# KiCad board panel_0.kicad_pcb (continued)
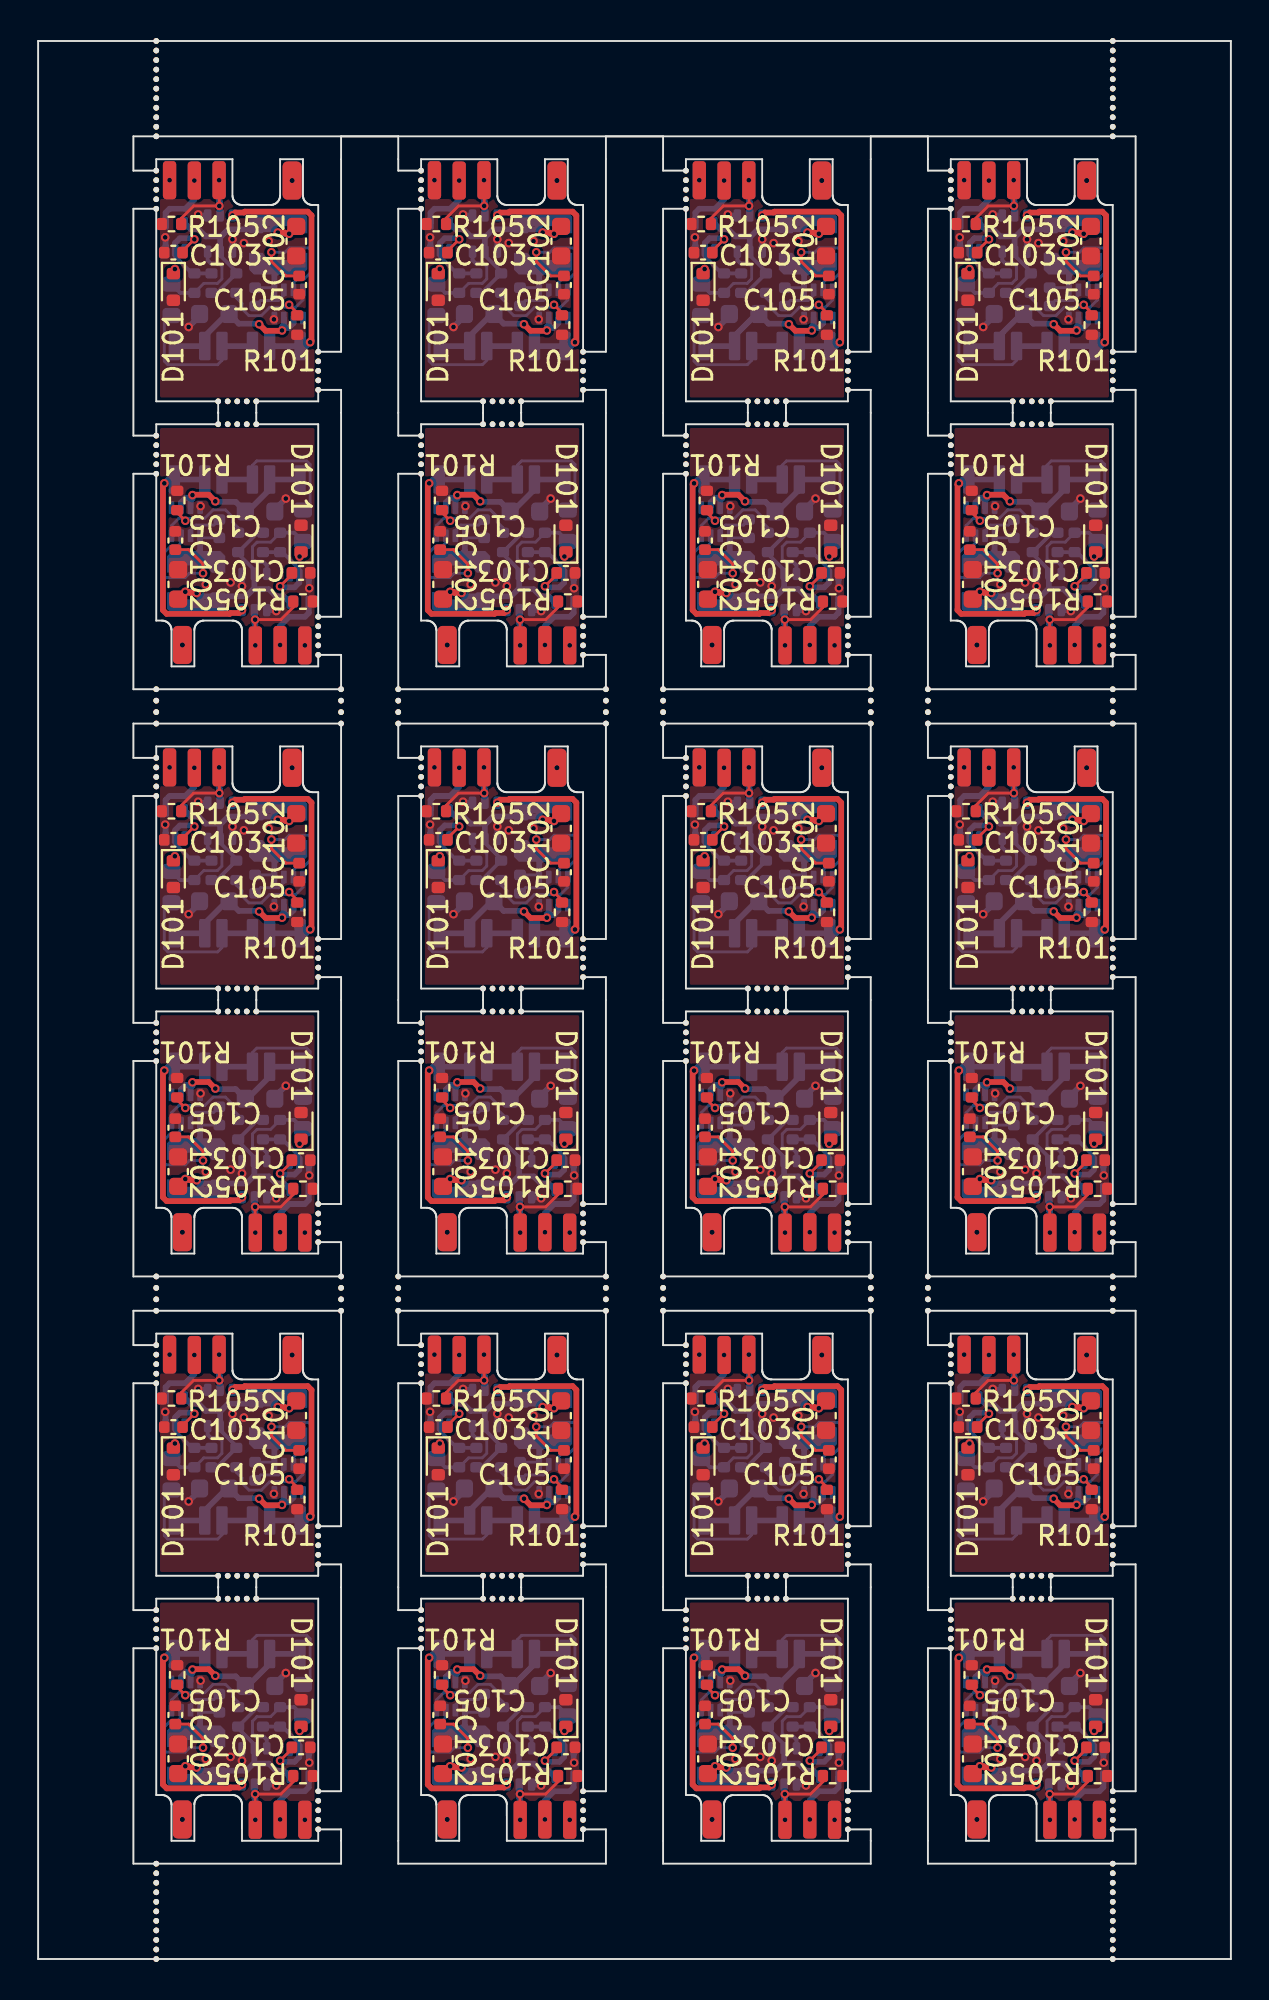
[diagram p0: board, top side]
## Routing (per net, layer and track width the routed paths; a pad name or vN(x,y) marks a point on that pad's centre or on a via; arc(x,y) is an arc through that point) (continued)
Board_4-Net-(U103-SS): length 7.2
  Top w0.15: C105#11.1 7.9,73.92 8.65,73.17 v1(8.65,72.68)
  Bottom w0.15: v1(8.65,72.68) 7.94,72.68 7.72,72.46 6.7,72.46 6.54,72.61 6.54,73.69 6.93,74.08 7.3,74.08 7.5,74.28 U103#22.7
Board_5-+3V3: length 10.3
  Top w0.3: v1(21.62,71.71) 21.81,71.71 21.87,71.65 v1(22.22,71.65)
  Bottom w0.2: Q102#7.2 25.25,72.85 24.4,73.7 R104#15.1 25.42,74.81 R106#3.1
  Bottom w0.3: L101#15.2 22.2,71.13 22.55,71.48 24.83,71.48 25.25,71.9 ; 25.25,71.9 25.3,71.85 26.01,71.85 26.38,71.47 26.79,71.47 U102#9.5 ; 25.25,71.9 Q102#7.2
  vias: v1(21.47,68.92) v1(21.47,68.92)
Board_5-/BST: length 2
  Bottom w0.15: C104#17.1 23.12,75.21 22.18,75.21 21.9,74.93 U103#5.6
Board_5-/DBUS: length 8.1
  Bottom w0.15: H102#19.1 25.15,78.35 25.38,78.58 27.99,78.58 28.18,78.39 28.18,76.38 R103#7.1
  Bottom w0.3: H102#19.1 H102#19.1
Board_5-/DBUS_R: length 6.3
  Top w0.15: 27.7,73.64 v1(27.62,73.56)
  Bottom w0.15: v1(27.62,73.56) 27.78,73.56 27.8,73.58 R103#7.2 27.76,74.31 ; 25.35,73.3 25.26,73.3 25.15,73.41 25.15,74.08 25.39,74.31 26.1,74.31 R102#8.1
  Bottom w0.2: R102#8.1 27.34,74.81 R103#7.2 ; 25.28,73.32 25.33,73.27 25.73,73.27 25.9,73.1 Q102#7.3
Board_5-/FB: length 5.9
  Top w0.15: R101#9.1 21.2,75.86 v1(21.63,75.44)
  Bottom w0.15: R104#15.2 24.4,75.07 24.1,75.37 24.1,75.64 23.74,76.01 23.08,76.01 22.65,75.57 21.29,75.57 20.9,75.18 U103#5.8
Board_5-/IN: length 5.1
  Top w0.15: C103#17.1 27.22,72.62 v1(26.6,72)
  Bottom w0.2: R106#3.2 R102#8.2 26.72,73.79 27.61,72.9 U102#9.2
  Bottom w0.3: U102#9.2 27.61,72.19 27.36,71.94 26.66,71.94 v1(26.6,72)
Board_5-/IO4: length 5.9
  Top w0.15: v1(25.29,70.25) 26.64,70.25 27.29,70.9 R105#22.1 ; v1(25.29,70.25) 25.29,70.35 ; v1(25.29,70.25) 25.29,68.91 v1(25.3,68.9)
  Bottom w0.3: v1(25.3,68.9) 25.3,70 25.25,70.05 Q102#7.5
Board_5-/IO5: length 3.3
  Bottom w0.3: v1(26.6,68.92) 26.6,69.92 27.08,70.4 27.9,70.4 28.11,70.61 U102#9.4
Board_5-/SW: length 2.3
  Bottom w0.15: C104#17.2 22.51,74.54 U103#5.5
  Bottom w0.3: U103#5.5 22.4,73.87 22.2,73.67 L101#15.1
Board_5-/V+: length 8.7
  Top w0.3: v1(22,76.78) 22.02,76.8 22.86,76.8 v1(23.2,76.46)
  Bottom w0.3: v1(23.2,76.46) 23.23,76.43 24.27,76.43 C101#19.1 24.9,75.92 26.05,77.07 H101#24.1 H101#24.1 ; U103#5.3 21.9,76.5 22,76.6 v1(22,76.78) 21.86,76.64 21.64,76.64 21.4,76.4 U103#5.2
Board_5-/V-: length 13.2
  Top w0.3: v1(24.6,70.75) 24.45,70.6 24,70.6 23.95,70.55 20.65,70.55 20.45,70.75 20.45,77.33 v1(20.52,77.4)
  Bottom w0.3: v1(20.52,77.4) 20.73,77.6 H103#7.1 H103#7.1
Board_5-GND: length 2.9
  Bottom w0.2: v1(22.42,76.2) 22.4,76.17 U103#5.4
  Bottom w0.3: v1(26.4,70.7) 26.35,70.75 Q102#7.4 ; C101#19.2 26.33,76.02 v1(26.9,76.6) ; U102#9.3 28.11,71.92 v1(28.13,71.9) ; Q102#7.1 v1(24.6,72)
  vias: v1(22.7,72.1) v1(24,72.2) v1(27.9,68.9)
Board_5-Net-(U103-SS): length 7.2
  Top w0.15: C105#3.1 21.8,73.92 22.55,73.17 v1(22.55,72.68)
  Bottom w0.15: v1(22.55,72.68) 21.84,72.68 21.62,72.46 20.6,72.46 20.44,72.61 20.44,73.69 20.83,74.08 21.2,74.08 21.4,74.28 U103#5.7
Board_6-+3V3: length 10.3
  Top w0.3: v1(35.52,71.71) 35.71,71.71 35.77,71.65 v1(36.12,71.65)
  Bottom w0.2: R106#2.1 39.32,74.81 R104#18.1 38.3,73.7 39.15,72.85 Q102#2.2
  Bottom w0.3: 39.15,71.9 38.73,71.48 36.45,71.48 36.1,71.13 L101#24.2 ; 39.15,71.9 Q102#2.2 ; 39.15,71.9 39.2,71.85 39.91,71.85 40.28,71.47 40.69,71.47 U102#2.5
  vias: v1(35.37,68.92) v1(35.37,68.92)
Board_6-/BST: length 2
  Bottom w0.15: U103#15.6 35.8,74.93 36.08,75.21 37.02,75.21 C104#18.1
Board_6-/DBUS: length 8.1
  Bottom w0.15: H102#14.1 39.05,78.35 39.28,78.58 41.89,78.58 42.08,78.39 42.08,76.38 R103#18.1
  Bottom w0.3: H102#14.1 H102#14.1
Board_6-/DBUS_R: length 6.3
  Top w0.15: 41.6,73.64 v1(41.52,73.56)
  Bottom w0.15: v1(41.52,73.56) 41.68,73.56 41.7,73.58 R103#18.2 41.66,74.31 ; 39.25,73.3 39.16,73.3 39.05,73.41 39.05,74.08 39.29,74.31 40,74.31 R102#21.1
  Bottom w0.2: R102#21.1 41.24,74.81 R103#18.2 ; Q102#2.3 39.8,73.1 39.63,73.27 39.23,73.27 39.18,73.32
Board_6-/FB: length 5.9
  Top w0.15: R101#7.1 35.1,75.86 v1(35.53,75.44)
  Bottom w0.15: R104#18.2 38.3,75.07 38,75.37 38,75.64 37.64,76.01 36.98,76.01 36.55,75.57 35.19,75.57 34.8,75.18 U103#15.8
Board_6-/IN: length 5.1
  Top w0.15: v1(40.5,72) 41.12,72.62 C103#12.1
  Bottom w0.2: U102#2.2 41.51,72.9 40.62,73.79 R102#21.2 R106#2.2
  Bottom w0.3: U102#2.2 41.51,72.19 41.26,71.94 40.56,71.94 v1(40.5,72)
Board_6-/IO4: length 5.9
  Top w0.15: v1(39.19,70.25) 40.54,70.25 41.19,70.9 R105#15.1 ; v1(39.19,70.25) 39.19,68.91 v1(39.2,68.9) ; v1(39.19,70.25) 39.19,70.35
  Bottom w0.3: v1(39.2,68.9) 39.2,70 39.15,70.05 Q102#2.5
Board_6-/IO5: length 3.3
  Bottom w0.3: v1(40.5,68.92) 40.5,69.92 40.98,70.4 41.8,70.4 42.01,70.61 U102#2.4
Board_6-/SW: length 2.3
  Bottom w0.15: C104#18.2 36.41,74.54 U103#15.5
  Bottom w0.3: U103#15.5 36.3,73.87 36.1,73.67 L101#24.1
Board_6-/V+: length 8.7
  Top w0.3: v1(37.1,76.46) 36.76,76.8 35.92,76.8 v1(35.9,76.78)
  Bottom w0.3: v1(37.1,76.46) 37.13,76.43 38.17,76.43 C101#3.1 38.8,75.92 39.95,77.07 H101#15.1 H101#15.1 ; U103#15.3 35.8,76.5 35.9,76.6 v1(35.9,76.78) 35.76,76.64 35.54,76.64 35.3,76.4 U103#15.2
Board_6-/V-: length 13.2
  Top w0.3: v1(38.5,70.75) 38.35,70.6 37.9,70.6 37.85,70.55 34.55,70.55 34.35,70.75 34.35,77.33 v1(34.42,77.4)
  Bottom w0.3: v1(34.42,77.4) 34.62,77.6 H103#2.1 H103#2.1
Board_6-GND: length 2.9
  Bottom w0.2: v1(36.33,76.2) 36.3,76.17 U103#15.4
  Bottom w0.3: Q102#2.1 v1(38.5,72) ; v1(40.8,76.6) 40.23,76.02 C101#3.2 ; v1(42.03,71.9) 42.01,71.92 U102#2.3 ; Q102#2.4 40.25,70.75 v1(40.3,70.7)
  vias: v1(36.6,72.1) v1(37.9,72.2) v1(41.8,68.9)
Board_6-Net-(U103-SS): length 7.2
  Top w0.15: C105#12.1 35.7,73.92 36.45,73.17 v1(36.45,72.68)
  Bottom w0.15: U103#15.7 35.3,74.28 35.1,74.08 34.73,74.08 34.34,73.69 34.34,72.61 34.5,72.46 35.52,72.46 35.74,72.68 v1(36.45,72.68)
Board_7-+3V3: length 10.3
  Top w0.3: v1(49.42,71.71) 49.61,71.71 49.67,71.65 v1(50.02,71.65)
  Bottom w0.2: R106#20.1 53.22,74.81 R104#10.1 52.2,73.7 53.05,72.85 Q102#4.2
  Bottom w0.3: Q102#4.2 53.05,71.9 ; 53.05,71.9 53.1,71.85 53.81,71.85 54.18,71.47 54.59,71.47 U102#15.5 ; 53.05,71.9 52.63,71.48 50.35,71.48 50,71.13 L101#4.2
  vias: v1(49.27,68.92) v1(49.27,68.92)
Board_7-/BST: length 2
  Bottom w0.15: C104#19.1 50.92,75.21 49.98,75.21 49.7,74.93 U103#16.6
Board_7-/DBUS: length 8.1
  Bottom w0.15: H102#16.1 52.95,78.35 53.18,78.58 55.79,78.58 55.98,78.39 55.98,76.38 R103#23.1
  Bottom w0.3: H102#16.1 H102#16.1
Board_7-/DBUS_R: length 6.3
  Top w0.15: 55.5,73.64 v1(55.42,73.56)
  Bottom w0.15: 55.56,74.31 R103#23.2 55.6,73.58 55.58,73.56 v1(55.42,73.56) ; R102#4.1 53.9,74.31 53.19,74.31 52.95,74.08 52.95,73.41 53.06,73.3 53.15,73.3
  Bottom w0.2: 53.08,73.32 53.13,73.27 53.53,73.27 53.7,73.1 Q102#4.3 ; R102#4.1 55.14,74.81 R103#23.2
Board_7-/FB: length 5.9
  Top w0.15: v1(49.43,75.44) 49,75.86 R101#6.1
  Bottom w0.15: R104#10.2 52.2,75.07 51.9,75.37 51.9,75.64 51.54,76.01 50.88,76.01 50.45,75.57 49.09,75.57 48.7,75.18 U103#16.8
Board_7-/IN: length 5.1
  Top w0.15: v1(54.4,72) 55.02,72.62 C103#5.1
  Bottom w0.2: U102#15.2 55.41,72.9 54.52,73.79 R102#4.2 R106#20.2
  Bottom w0.3: v1(54.4,72) 54.46,71.94 55.16,71.94 55.41,72.19 U102#15.2
Board_7-/IO4: length 5.9
  Top w0.15: R105#21.1 55.09,70.9 54.44,70.25 v1(53.09,70.25) ; v1(53.09,70.25) 53.09,70.35 ; v1(53.09,70.25) 53.09,68.91 v1(53.1,68.9)
  Bottom w0.3: Q102#4.5 53.05,70.05 53.1,70 v1(53.1,68.9)
Board_7-/IO5: length 3.3
  Bottom w0.3: U102#15.4 55.91,70.61 55.7,70.4 54.88,70.4 54.4,69.92 v1(54.4,68.92)
Board_7-/SW: length 2.3
  Bottom w0.15: U103#16.5 50.31,74.54 C104#19.2
  Bottom w0.3: U103#16.5 50.2,73.87 50,73.67 L101#4.1
Board_7-/V+: length 8.7
  Top w0.3: v1(49.8,76.78) 49.82,76.8 50.66,76.8 v1(51,76.46)
  Bottom w0.3: v1(51,76.46) 51.03,76.43 52.07,76.43 C101#20.1 52.7,75.92 53.85,77.07 H101#13.1 H101#13.1 ; U103#16.2 49.2,76.4 49.44,76.64 49.66,76.64 v1(49.8,76.78) 49.8,76.6 49.7,76.5 U103#16.3
Board_7-/V-: length 13.2
  Top w0.3: v1(48.33,77.4) 48.25,77.33 48.25,70.75 48.45,70.55 51.75,70.55 51.8,70.6 52.25,70.6 v1(52.4,70.75)
  Bottom w0.3: H103#4.1 H103#4.1 48.52,77.6 v1(48.33,77.4)
Board_7-GND: length 2.9
  Bottom w0.2: U103#16.4 50.2,76.17 v1(50.23,76.2)
  Bottom w0.3: U102#15.3 55.91,71.92 v1(55.93,71.9) ; Q102#4.1 v1(52.4,72) ; Q102#4.4 54.15,70.75 v1(54.2,70.7) ; v1(54.7,76.6) 54.12,76.02 54.12,75.92
  vias: v1(50.5,72.1) v1(51.8,72.2) v1(55.7,68.9)
Board_7-Net-(U103-SS): length 7.2
  Top w0.15: C105#23.1 49.6,73.92 50.35,73.17 v1(50.35,72.68)
  Bottom w0.15: U103#16.7 49.2,74.28 49,74.08 48.63,74.08 48.24,73.69 48.24,72.61 48.4,72.46 49.42,72.46 49.64,72.68 v1(50.35,72.68)
Board_8-+3V3: length 10.3
  Top w0.3: v1(12.58,59.75) 12.93,59.75 12.99,59.69 v1(13.17,59.69)
  Bottom w0.2: Q102#12.2 9.55,58.55 10.4,57.7 R104#11.1 9.38,56.59 R106#6.1
  Bottom w0.3: Q102#12.2 9.55,59.5 ; 9.55,59.5 9.97,59.92 12.25,59.92 12.6,60.27 L101#20.2 ; 9.55,59.5 9.5,59.55 8.79,59.55 8.42,59.93 8.01,59.93 U102#20.5
  vias: v1(13.33,62.48) v1(13.33,62.48)
Board_8-/BST: length 2
  Bottom w0.15: C104#12.1 11.68,56.19 12.62,56.19 12.9,56.47 U103#8.6
Board_8-/DBUS: length 8.1
  Bottom w0.15: R103#2.1 6.62,55.02 6.62,53.01 6.81,52.82 9.42,52.82 9.65,53.05 H102#20.1
  Bottom w0.3: H102#20.1 H102#20.1
Board_8-/DBUS_R: length 6.3
  Top w0.15: 7.1,57.76 v1(7.18,57.84)
  Bottom w0.15: 7.04,57.09 R103#2.2 7,57.82 7.02,57.84 v1(7.18,57.84) ; 9.45,58.1 9.54,58.1 9.65,57.99 9.65,57.32 9.41,57.09 8.7,57.09 R102#11.1
  Bottom w0.2: R102#11.1 7.46,56.59 R103#2.2 ; 9.52,58.08 9.47,58.13 9.07,58.13 8.9,58.3 Q102#12.3
Board_8-/FB: length 5.9
  Top w0.15: v1(13.17,55.96) 13.6,55.54 R101#15.1
  Bottom w0.15: R104#11.2 10.4,56.33 10.7,56.03 10.7,55.76 11.06,55.39 11.72,55.39 12.15,55.83 13.51,55.83 13.9,56.22 U103#8.8
Board_8-/IN: length 5.1
  Top w0.15: C103#15.1 7.58,58.78 v1(8.2,59.4)
  Bottom w0.2: R106#6.2 R102#11.2 8.08,57.61 7.19,58.5 U102#20.2
  Bottom w0.3: v1(8.2,59.4) 8.14,59.46 7.44,59.46 7.19,59.21 U102#20.2
Board_8-/IO4: length 5.9
  Top w0.15: 9.51,61.05 v1(9.51,61.15) ; v1(9.51,61.15) 8.16,61.15 7.51,60.5 R105#11.1 ; v1(9.51,61.15) 9.51,62.49 v1(9.5,62.5)
  Bottom w0.3: Q102#12.5 9.55,61.35 9.5,61.4 v1(9.5,62.5)
Board_8-/IO5: length 3.3
  Bottom w0.3: v1(8.2,62.48) 8.2,61.48 7.72,61 6.9,61 6.69,60.79 U102#20.4
Board_8-/SW: length 2.3
  Bottom w0.15: C104#12.2 12.29,56.86 U103#8.5
  Bottom w0.3: L101#20.1 12.6,57.73 12.4,57.53 U103#8.5
Board_8-/V+: length 8.7
  Top w0.3: v1(11.6,54.94) 11.94,54.6 12.78,54.6 v1(12.8,54.62)
  Bottom w0.3: U103#8.3 12.9,54.9 12.8,54.8 v1(12.8,54.62) 12.94,54.76 13.16,54.76 13.4,55 U103#8.2 ; v1(11.6,54.94) 11.57,54.97 10.53,54.97 10.02,55.48 9.9,55.48 8.75,54.33 H101#4.1 H101#4.1
Board_8-/V-: length 13.2
  Top w0.3: v1(14.27,54) 14.35,54.07 14.35,60.65 14.15,60.85 10.85,60.85 10.8,60.8 10.35,60.8 v1(10.2,60.65)
  Bottom w0.3: H103#3.1 H103#3.1 14.08,53.8 v1(14.27,54)
Board_8-GND: length 2.9
  Bottom w0.2: U103#8.4 12.4,55.22 v1(12.37,55.2)
  Bottom w0.3: v1(8.4,60.7) 8.45,60.65 Q102#12.4 ; Q102#12.1 v1(10.2,59.4) ; v1(7.9,54.8) 8.47,55.38 C101#10.2 ; v1(6.67,59.5) 6.69,59.48 U102#20.3
  vias: v1(6.9,62.5) v1(10.8,59.2) v1(12.1,59.3)
Board_8-Net-(U103-SS): length 7.2
  Top w0.15: v1(12.25,58.72) 12.25,58.23 13,57.48 C105#6.1
  Bottom w0.15: v1(12.25,58.72) 12.96,58.72 13.18,58.94 14.2,58.94 14.36,58.79 14.36,57.71 13.97,57.32 13.6,57.32 13.4,57.12 U103#8.7
Board_9-+3V3: length 10.3
  Top w0.3: v1(27.08,59.69) 26.89,59.69 26.83,59.75 v1(26.48,59.75)
  Bottom w0.2: Q102#23.2 23.45,58.55 24.3,57.7 R104#3.1 23.28,56.59 R106#15.1
  Bottom w0.3: 23.45,59.5 23.4,59.55 22.69,59.55 22.32,59.93 21.91,59.93 U102#14.5 ; 23.45,59.5 Q102#23.2 ; 23.45,59.5 23.87,59.92 26.15,59.92 26.5,60.27 L101#6.2
  vias: v1(27.23,62.48) v1(27.23,62.48)
Board_9-/BST: length 2
  Bottom w0.15: U103#13.6 26.8,56.47 26.52,56.19 25.58,56.19 C104#23.1
Board_9-/DBUS: length 8.1
  Bottom w0.15: H102#24.1 23.55,53.05 23.32,52.82 20.71,52.82 20.52,53.01 20.52,55.02 R103#15.1
  Bottom w0.3: H102#24.1 H102#24.1
Board_9-/DBUS_R: length 6.3
  Top w0.15: 21,57.76 v1(21.08,57.84)
  Bottom w0.15: 23.35,58.1 23.44,58.1 23.55,57.99 23.55,57.32 23.31,57.09 22.6,57.09 R102#5.1 ; v1(21.08,57.84) 20.92,57.84 20.9,57.82 R103#15.2 20.94,57.09
  Bottom w0.2: R102#5.1 21.36,56.59 R103#15.2 ; 23.42,58.08 23.37,58.13 22.97,58.13 22.8,58.3 Q102#23.3
Board_9-/FB: length 5.9
  Top w0.15: R101#5.1 27.5,55.54 v1(27.07,55.96)
  Bottom w0.15: U103#13.8 27.8,56.22 27.41,55.83 26.05,55.83 25.62,55.39 24.96,55.39 24.6,55.76 24.6,56.03 24.3,56.33 R104#3.2
Board_9-/IN: length 5.1
  Top w0.15: C103#19.1 21.48,58.78 v1(22.1,59.4)
  Bottom w0.2: R106#15.2 R102#5.2 21.98,57.61 21.09,58.5 U102#14.2
  Bottom w0.3: v1(22.1,59.4) 22.04,59.46 21.34,59.46 21.09,59.21 U102#14.2
Board_9-/IO4: length 5.9
  Top w0.15: R105#17.1 21.41,60.5 22.06,61.15 v1(23.41,61.15) ; v1(23.41,61.15) 23.41,61.05 ; v1(23.41,61.15) 23.41,62.49 v1(23.4,62.5)
  Bottom w0.3: Q102#23.5 23.45,61.35 23.4,61.4 v1(23.4,62.5)
Board_9-/IO5: length 3.3
  Bottom w0.3: v1(22.1,62.48) 22.1,61.48 21.62,61 20.8,61 20.59,60.79 U102#14.4
Board_9-/SW: length 2.3
  Bottom w0.15: C104#23.2 26.19,56.86 U103#13.5
  Bottom w0.3: L101#6.1 26.5,57.73 26.3,57.53 U103#13.5
Board_9-/V+: length 8.7
  Top w0.3: v1(25.5,54.94) 25.84,54.6 26.68,54.6 v1(26.7,54.62)
  Bottom w0.3: U103#13.3 26.8,54.9 26.7,54.8 v1(26.7,54.62) 26.84,54.76 27.06,54.76 27.3,55 U103#13.2 ; H101#2.1 H101#2.1 22.65,54.33 23.8,55.48 C101.1 24.43,54.97 25.47,54.97 v1(25.5,54.94)
Board_9-/V-: length 13.2
  Top w0.3: v1(24.1,60.65) 24.25,60.8 24.7,60.8 24.75,60.85 28.05,60.85 28.25,60.65 28.25,54.07 v1(28.17,54)
  Bottom w0.3: v1(28.17,54) 27.98,53.8 H103#12.1 H103#12.1
Board_9-GND: length 2.9
  Bottom w0.2: U103#13.4 26.3,55.22 v1(26.27,55.2)
  Bottom w0.3: Q102#23.1 v1(24.1,59.4) ; v1(20.57,59.5) 20.59,59.48 U102#14.3 ; C101.2 22.37,55.38 v1(21.8,54.8) ; Q102#23.4 22.35,60.65 v1(22.3,60.7)
  vias: v1(20.8,62.5) v1(24.7,59.2) v1(26,59.3)
Board_9-Net-(U103-SS): length 7.2
  Top w0.15: C105#5.1 26.9,57.48 26.15,58.23 v1(26.15,58.72)
  Bottom w0.15: v1(26.15,58.72) 26.86,58.72 27.08,58.94 28.1,58.94 28.26,58.79 28.26,57.71 27.87,57.32 27.5,57.32 27.3,57.12 U103#13.7
Board_10-+3V3: length 10.3
  Top w0.3: v1(40.98,59.69) 40.79,59.69 40.73,59.75 v1(40.38,59.75)
  Bottom w0.2: Q102#16.2 37.35,58.55 38.2,57.7 R104#5.1 37.18,56.59 R106#13.1
  Bottom w0.3: L101#21.2 40.4,60.27 40.05,59.92 37.77,59.92 37.35,59.5 ; 37.35,59.5 37.3,59.55 36.59,59.55 36.22,59.93 35.81,59.93 U102#11.5 ; 37.35,59.5 Q102#16.2
  vias: v1(41.13,62.48) v1(41.13,62.48)
Board_10-/BST: length 2
  Bottom w0.15: C104#13.1 39.48,56.19 40.42,56.19 40.7,56.47 U103#11.6
Board_10-/DBUS: length 8.1
  Bottom w0.15: R103#9.1 34.42,55.02 34.42,53.01 34.61,52.82 37.22,52.82 37.45,53.05 H102#2.1
  Bottom w0.3: H102#2.1 H102#2.1
Board_10-/DBUS_R: length 6.3
  Top w0.15: 34.9,57.76 v1(34.98,57.84)
  Bottom w0.15: 37.25,58.1 37.34,58.1 37.45,57.99 37.45,57.32 37.21,57.09 36.5,57.09 R102#10.1 ; v1(34.98,57.84) 34.82,57.84 34.8,57.82 R103#9.2 34.84,57.09
  Bottom w0.2: R103#9.2 35.26,56.59 R102#10.1 ; 37.32,58.08 37.27,58.13 36.87,58.13 36.7,58.3 Q102#16.3
Board_10-/FB: length 5.9
  Top w0.15: v1(40.97,55.96) 41.4,55.54 R101#14.1
  Bottom w0.15: R104#5.2 38.2,56.33 38.5,56.03 38.5,55.76 38.86,55.39 39.52,55.39 39.95,55.83 41.31,55.83 41.7,56.22 U103#11.8
Board_10-/IN: length 5.1
  Top w0.15: C103#24.1 35.38,58.78 v1(36,59.4)
  Bottom w0.2: R106#13.2 R102#10.2 35.88,57.61 34.99,58.5 U102#11.2
  Bottom w0.3: U102#11.2 34.99,59.21 35.24,59.46 35.94,59.46 v1(36,59.4)
Board_10-/IO4: length 5.9
  Top w0.15: R105#3.1 35.31,60.5 35.96,61.15 v1(37.31,61.15) ; v1(37.31,61.15) 37.31,61.05 ; v1(37.31,61.15) 37.31,62.49 v1(37.3,62.5)
  Bottom w0.3: v1(37.3,62.5) 37.3,61.4 37.35,61.35 Q102#16.5
Board_10-/IO5: length 3.3
  Bottom w0.3: U102#11.4 34.49,60.79 34.7,61 35.52,61 36,61.48 v1(36,62.48)
Board_10-/SW: length 2.3
  Bottom w0.15: C104#13.2 40.09,56.86 U103#11.5
  Bottom w0.3: L101#21.1 40.4,57.73 40.2,57.53 U103#11.5
Board_10-/V+: length 8.7
  Top w0.3: v1(39.4,54.94) 39.74,54.6 40.58,54.6 v1(40.6,54.62)
  Bottom w0.3: H101#21.1 H101#21.1 36.55,54.33 37.7,55.48 C101#5.1 38.33,54.97 39.37,54.97 v1(39.4,54.94) ; U103#11.3 40.7,54.9 40.6,54.8 v1(40.6,54.62) 40.74,54.76 40.96,54.76 41.2,55 U103#11.2
Board_10-/V-: length 13.2
  Top w0.3: v1(42.08,54) 42.15,54.07 42.15,60.65 41.95,60.85 38.65,60.85 38.6,60.8 38.15,60.8 v1(38,60.65)
  Bottom w0.3: H103#16.1 H103#16.1 41.87,53.8 v1(42.08,54)
Board_10-GND: length 2.9
  Bottom w0.2: v1(40.17,55.2) 40.2,55.22 U103#11.4
  Bottom w0.3: v1(36.2,60.7) 36.25,60.65 Q102#16.4 ; U102#11.3 34.49,59.48 v1(34.47,59.5) ; Q102#16.1 v1(38,59.4) ; C101#5.2 36.27,55.38 v1(35.7,54.8)
  vias: v1(34.7,62.5) v1(38.6,59.2) v1(39.9,59.3)
Board_10-Net-(U103-SS): length 7.2
  Top w0.15: v1(40.05,58.72) 40.05,58.23 40.8,57.48 C105#7.1
  Bottom w0.15: v1(40.05,58.72) 40.76,58.72 40.98,58.94 42,58.94 42.16,58.79 42.16,57.71 41.77,57.32 41.4,57.32 41.2,57.12 U103#11.7
Board_11-+3V3: length 10.3
  Top w0.3: v1(54.28,59.75) 54.63,59.75 54.69,59.69 v1(54.87,59.69)
  Bottom w0.2: Q102#3.2 51.25,58.55 52.1,57.7 R104#17.1 51.08,56.59 R106#21.1
  Bottom w0.3: 51.25,59.5 51.2,59.55 50.49,59.55 50.12,59.93 49.71,59.93 U102#4.5 ; 51.25,59.5 51.67,59.92 53.95,59.92 54.3,60.27 L101#14.2 ; 51.25,59.5 Q102#3.2
  vias: v1(55.03,62.48) v1(55.03,62.48)
Board_11-/BST: length 2
  Bottom w0.15: C104#4.1 53.38,56.19 54.32,56.19 54.6,56.47 U103#10.6
Board_11-/DBUS: length 8.1
  Bottom w0.15: R103#16.1 48.32,55.02 48.32,53.01 48.51,52.82 51.12,52.82 51.35,53.05 H102#10.1
  Bottom w0.3: H102#10.1 H102#10.1
Board_11-/DBUS_R: length 6.3
  Top w0.15: 48.8,57.76 v1(48.88,57.84)
  Bottom w0.15: 51.15,58.1 51.24,58.1 51.35,57.99 51.35,57.32 51.11,57.09 50.4,57.09 R102#17.1 ; v1(48.88,57.84) 48.72,57.84 48.7,57.82 R103#16.2 48.74,57.09
  Bottom w0.2: 51.22,58.08 51.17,58.13 50.77,58.13 50.6,58.3 Q102#3.3 ; R103#16.2 49.16,56.59 R102#17.1
Board_11-/FB: length 5.9
  Top w0.15: v1(54.87,55.96) 55.3,55.54 R101#18.1
  Bottom w0.15: R104#17.2 52.1,56.33 52.4,56.03 52.4,55.76 52.76,55.39 53.42,55.39 53.85,55.83 55.21,55.83 55.6,56.22 U103#10.8
Board_11-/IN: length 5.1
  Top w0.15: v1(49.9,59.4) 49.28,58.78 C103#6.1
  Bottom w0.2: R106#21.2 R102#17.2 49.78,57.61 48.89,58.5 U102#4.2
  Bottom w0.3: U102#4.2 48.89,59.21 49.14,59.46 49.84,59.46 v1(49.9,59.4)
Board_11-/IO4: length 5.9
  Top w0.15: R105#23.1 49.21,60.5 49.86,61.15 v1(51.21,61.15) ; 51.21,61.05 v1(51.21,61.15) ; v1(51.21,61.15) 51.21,62.49 v1(51.2,62.5)
  Bottom w0.3: Q102#3.5 51.25,61.35 51.2,61.4 v1(51.2,62.5)
Board_11-/IO5: length 3.3
  Bottom w0.3: v1(49.9,62.48) 49.9,61.48 49.42,61 48.6,61 48.39,60.79 U102#4.4
Board_11-/SW: length 2.3
  Bottom w0.15: C104#4.2 53.99,56.86 U103#10.5
  Bottom w0.3: U103#10.5 54.1,57.53 54.3,57.73 L101#14.1
Board_11-/V+: length 8.7
  Top w0.3: v1(54.5,54.62) 54.48,54.6 53.64,54.6 v1(53.3,54.94)
  Bottom w0.3: H101#22.1 H101#22.1 50.45,54.33 51.6,55.48 C101#13.1 52.23,54.97 53.27,54.97 v1(53.3,54.94) ; U103#10.2 55.1,55 54.86,54.76 54.64,54.76 v1(54.5,54.62) 54.5,54.8 54.6,54.9 U103#10.3
Board_11-/V-: length 13.2
  Top w0.3: v1(55.98,54) 56.05,54.07 56.05,60.65 55.85,60.85 52.55,60.85 52.5,60.8 52.05,60.8 v1(51.9,60.65)
  Bottom w0.3: H103#9.1 H103#9.1 55.77,53.8 v1(55.98,54)
Board_11-GND: length 2.9
  Bottom w0.2: v1(54.08,55.2) 54.1,55.22 U103#10.4
  Bottom w0.3: v1(49.6,54.8) 50.17,55.38 C101#13.2 ; U102#4.3 48.39,59.48 v1(48.37,59.5) ; Q102#3.4 50.15,60.65 v1(50.1,60.7) ; Q102#3.1 v1(51.9,59.4)
  vias: v1(48.6,62.5) v1(52.5,59.2) v1(53.8,59.3)
Board_11-Net-(U103-SS): length 7.2
  Top w0.15: C105#15.1 54.7,57.48 53.95,58.23 v1(53.95,58.72)
  Bottom w0.15: U103#10.7 55.1,57.12 55.3,57.32 55.67,57.32 56.06,57.71 56.06,58.79 55.9,58.94 54.88,58.94 54.66,58.72 v1(53.95,58.72)
Board_12-+3V3: length 10.3
  Top w0.3: v1(8.32,40.85) 7.97,40.85 7.91,40.91 v1(7.72,40.91)
  Bottom w0.2: Q102#18.2 11.35,42.05 10.5,42.9 R104#21.1 11.52,44.01 R106#7.1
  Bottom w0.3: Q102#18.2 11.35,41.1 ; 11.35,41.1 10.93,40.68 8.65,40.68 8.3,40.33 L101#18.2 ; 11.35,41.1 11.4,41.05 12.11,41.05 12.48,40.67 12.89,40.67 U102#3.5
  vias: v1(7.57,38.12) v1(7.57,38.12)
Board_12-/BST: length 2
  Bottom w0.15: C104#6.1 9.22,44.41 8.28,44.41 8,44.13 U103#12.6
Board_12-/DBUS: length 8.1
  Bottom w0.15: R103#4.1 14.28,45.58 14.28,47.59 14.09,47.78 11.48,47.78 11.25,47.55 H102#9.1
  Bottom w0.3: H102#9.1 H102#9.1
Board_12-/DBUS_R: length 6.3
  Top w0.15: 13.8,42.84 v1(13.72,42.76)
  Bottom w0.15: v1(13.72,42.76) 13.88,42.76 13.9,42.78 R103#4.2 13.86,43.51 ; R102#6.1 12.2,43.51 11.49,43.51 11.25,43.28 11.25,42.61 11.36,42.5 11.45,42.5
  Bottom w0.2: 11.38,42.52 11.43,42.47 11.83,42.47 12,42.3 Q102#18.3 ; R103#4.2 13.44,44.01 R102#6.1
Board_12-/FB: length 5.9
  Top w0.15: v1(7.73,44.64) 7.3,45.06 R101#16.1
  Bottom w0.15: U103#12.8 7,44.38 7.39,44.77 8.75,44.77 9.18,45.21 9.84,45.21 10.2,44.84 10.2,44.57 10.5,44.27 R104#21.2
Board_12-/IN: length 5.1
  Top w0.15: C103#20.1 13.32,41.82 v1(12.7,41.2)
  Bottom w0.2: U102#3.2 13.71,42.1 12.82,42.99 R102#6.2 R106#7.2
  Bottom w0.3: U102#3.2 13.71,41.39 13.46,41.14 12.76,41.14 v1(12.7,41.2)
Board_12-/IO4: length 5.9
  Top w0.15: v1(11.39,39.45) 11.39,38.11 v1(11.4,38.1) ; v1(11.39,39.45) 12.74,39.45 13.39,40.1 R105#14.1 ; v1(11.39,39.45) 11.39,39.55
  Bottom w0.3: Q102#18.5 11.35,39.25 11.4,39.2 v1(11.4,38.1)
Board_12-/IO5: length 3.3
  Bottom w0.3: v1(12.7,38.12) 12.7,39.12 13.18,39.6 14,39.6 14.21,39.81 U102#3.4
Board_12-/SW: length 2.3
  Bottom w0.15: C104#6.2 8.61,43.74 U103#12.5
  Bottom w0.3: U103#12.5 8.5,43.07 8.3,42.87 L101#18.1
Board_12-/V+: length 8.7
  Top w0.3: v1(9.3,45.66) 8.96,46 8.12,46 v1(8.1,45.98)
  Bottom w0.3: U103#12.2 7.5,45.6 7.74,45.84 7.96,45.84 v1(8.1,45.98) 8.1,45.8 8,45.7 U103#12.3 ; H101#5.1 H101#5.1 12.15,46.27 11,45.12 C101#15.1 10.37,45.63 9.33,45.63 v1(9.3,45.66)
Board_12-/V-: length 13.2
  Top w0.3: v1(6.62,46.6) 6.55,46.53 6.55,39.95 6.75,39.75 10.05,39.75 10.1,39.8 10.55,39.8 v1(10.7,39.95)
  Bottom w0.3: v1(6.62,46.6) 6.83,46.8 H103#23.1 H103#23.1
Board_12-GND: length 2.9
  Bottom w0.2: U103#12.4 8.5,45.38 v1(8.52,45.4)
  Bottom w0.3: v1(14.23,41.1) 14.21,41.12 U102#3.3 ; C101#15.2 12.42,45.22 v1(13,45.8) ; v1(12.5,39.9) 12.45,39.95 Q102#18.4 ; Q102#18.1 v1(10.7,41.2)
  vias: v1(8.8,41.3) v1(10.1,41.4) v1(14,38.1)
Board_12-Net-(U103-SS): length 7.2
  Top w0.15: C105#17.1 7.9,43.12 8.65,42.37 v1(8.65,41.88)
  Bottom w0.15: v1(8.65,41.88) 7.94,41.88 7.72,41.66 6.7,41.66 6.54,41.81 6.54,42.89 6.93,43.28 7.3,43.28 7.5,43.48 U103#12.7
Board_13-+3V3: length 10.3
  Top w0.3: v1(21.62,40.91) 21.81,40.91 21.87,40.85 v1(22.22,40.85)
  Bottom w0.2: Q102#6.2 25.25,42.05 24.4,42.9 R104#2.1 25.42,44.01 R106#22.1
  Bottom w0.3: U102#17.5 26.79,40.67 26.38,40.67 26.01,41.05 25.3,41.05 25.25,41.1 ; L101#23.2 22.2,40.33 22.55,40.68 24.83,40.68 25.25,41.1 ; 25.25,41.1 Q102#6.2
  vias: v1(21.47,38.12) v1(21.47,38.12)
Board_13-/BST: length 2
  Bottom w0.15: U103.6 21.9,44.13 22.18,44.41 23.12,44.41 C104#20.1
Board_13-/DBUS: length 8.1
  Bottom w0.15: H102#18.1 25.15,47.55 25.38,47.78 27.99,47.78 28.18,47.59 28.18,45.58 R103#21.1
  Bottom w0.3: H102#18.1 H102#18.1
Board_13-/DBUS_R: length 6.3
  Top w0.15: 27.7,42.84 v1(27.62,42.76)
  Bottom w0.15: 25.35,42.5 25.26,42.5 25.15,42.61 25.15,43.28 25.39,43.51 26.1,43.51 R102#23.1 ; v1(27.62,42.76) 27.78,42.76 27.8,42.78 R103#21.2 27.76,43.51
  Bottom w0.2: R102#23.1 27.34,44.01 R103#21.2 ; 25.28,42.52 25.33,42.47 25.73,42.47 25.9,42.3 Q102#6.3
Board_13-/FB: length 5.9
  Top w0.15: v1(21.63,44.64) 21.2,45.06 R101#4.1
  Bottom w0.15: U103.8 20.9,44.38 21.29,44.77 22.65,44.77 23.08,45.21 23.74,45.21 24.1,44.84 24.1,44.57 24.4,44.27 R104#2.2
Board_13-/IN: length 5.1
  Top w0.15: C103#3.1 27.22,41.82 v1(26.6,41.2)
  Bottom w0.2: R106#22.2 R102#23.2 26.72,42.99 27.61,42.1 U102#17.2
  Bottom w0.3: v1(26.6,41.2) 26.66,41.14 27.36,41.14 27.61,41.39 U102#17.2
Board_13-/IO4: length 5.9
  Top w0.15: v1(25.29,39.45) 26.64,39.45 27.29,40.1 R105#8.1 ; v1(25.29,39.45) 25.29,38.11 v1(25.3,38.1) ; v1(25.29,39.45) 25.29,39.55
  Bottom w0.3: Q102#6.5 25.25,39.25 25.3,39.2 v1(25.3,38.1)
Board_13-/IO5: length 3.3
  Bottom w0.3: v1(26.6,38.12) 26.6,39.12 27.08,39.6 27.9,39.6 28.11,39.81 U102#17.4
Board_13-/SW: length 2.3
  Bottom w0.15: U103.5 22.51,43.74 C104#20.2
  Bottom w0.3: L101#23.1 22.2,42.87 22.4,43.07 U103.5
Board_13-/V+: length 8.7
  Top w0.3: v1(23.2,45.66) 22.86,46 22.02,46 v1(22,45.98)
  Bottom w0.3: U103.2 21.4,45.6 21.64,45.84 21.86,45.84 v1(22,45.98) 22,45.8 21.9,45.7 U103.3 ; v1(23.2,45.66) 23.23,45.63 24.27,45.63 C101#2.1 24.9,45.12 26.05,46.27 H101#6.1 H101#6.1
Board_13-/V-: length 13.2
  Top w0.3: v1(24.6,39.95) 24.45,39.8 24,39.8 23.95,39.75 20.65,39.75 20.45,39.95 20.45,46.53 v1(20.52,46.6)
  Bottom w0.3: H103#18.1 H103#18.1 20.73,46.8 v1(20.52,46.6)
Board_13-GND: length 2.9